# Altium PCB fMAX_MB.PcbDoc (part 10 of 13) (continued)
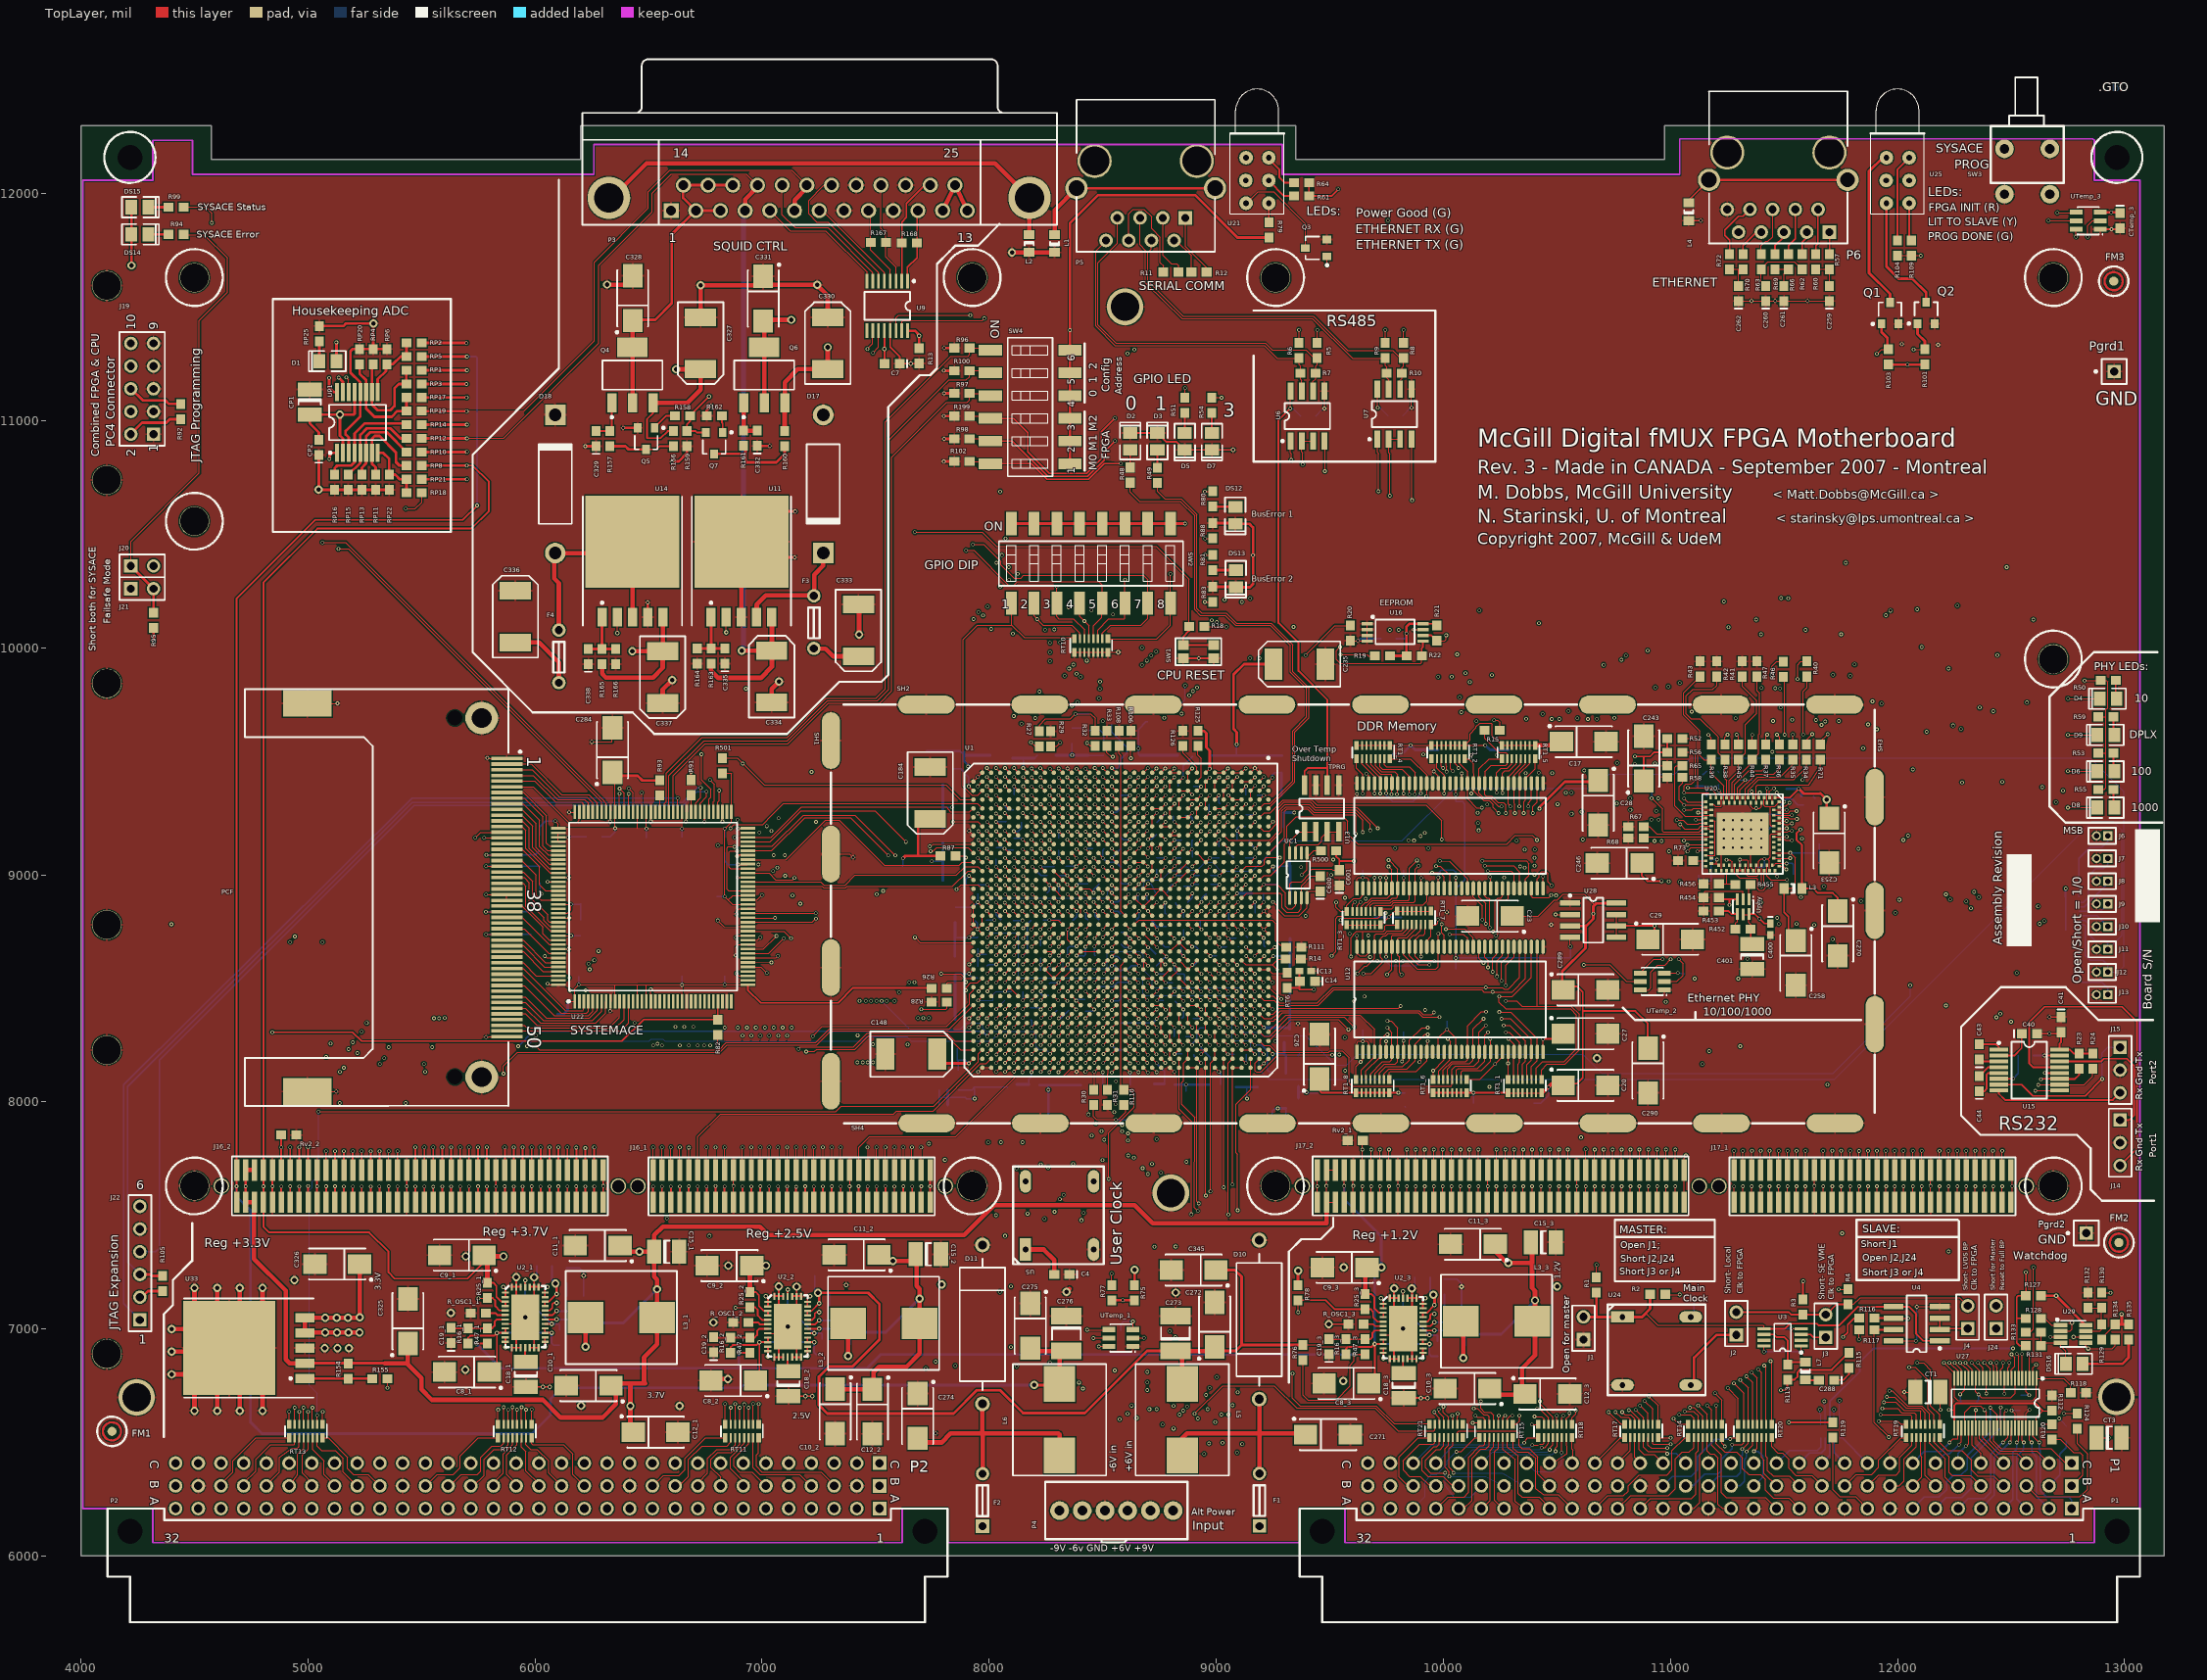
[diagram p0: TopLayer view]
## Nets (pads, with @x,y where several pads share a name; then routed paths per layer and width w, separated by ;. In a path a pad name is that pad's centre, name@x,y a point inside that pad or via, vN(x,y) a via of type N, cw(c..) or ccw(c..) an arc to the next point about the centre after c; other vN are vias at no path point) (continued)
  MidLayer2 w6: J20.2@4320,10360 4373,10307 4373,8716 4782,8307 v1(4843,8307)
  Power3 w6: v1(4843,8307) 4842.52,9921.26 4842.52,9980.32 5009.84,10147.64 6289.37,10147.64 6889.76,10748.03 13021,10748.03 ; v1(12564.85,7249.85) 12909.85,7249.85 12928,7268 12928,8356 13021,8449 13021,11933 12957,11997 SW3.2@12671,11997
SYSACE_TDO_10: R91.2 U22.82 | length 72.9
  TopLayer w5: U22.82@6687.32,9277.32 R91.2@6687.32,9350.21
SYSACE_USB_D0: U1.AK9 U22.66 | length 1292.6
  TopLayer w5: v1(8068,9155) 8087.87,9135.13 U1.AK9@8087.87,9134.65
  TopLayer w6: v1(6889.76,9081.69) 6894.45,9086.38 U22.66@6937.32,9086.38
  MidLayer2 w5: v1(6889.76,9081.69) 6915.35,9107.28 7693.9,9107.28 7727.36,9140.75 7762.8,9140.75 7769.69,9133.86 8047.24,9133.86 8068,9154.61 v1(8068,9155)
SYSACE_USB_D1: U1.AP11 U22.65 | length 1151.9
  TopLayer w5: U22.65@6937.32,9066.69 7105.08,9066.69 7278.54,9240.16 7340.55,9240.16 7537.71,9043 7868.71,9043 7881.62,9055.91 7930.09,9055.91 U1.AP11@7930.39,9055.91
SYSACE_USB_D2: U1.AP10 U22.63 | length 1244.3
  TopLayer w5: v1(6889.76,9104.33) 6889.43,9104 6860,9104 6855.5,9099.5 6855.5,9033.5 6861.68,9027.32 U22.63@6937.32,9027.32 ; v1(7742,9104) 7753,9104 7769,9120 7906,9120 7930.39,9095.61 U1.AP10@7930.39,9095.28
  MidLayer1 w5: v1(6889.76,9104.33) v1(7742,9104)
SYSACE_USB_D3: U1.AH10 U22.62 | length 1320.2
  TopLayer w5: U22.62@6937.32,9007.64 7030.75,9007.64 7060.04,8978.35 7134.84,8978.35 v1(7142.72,8986.22) ; v1(8149,9113) 8166.61,9095.39 U1.AH10@8166.61,9095.28
  MidLayer3 w5: v1(7142.72,8986.22) 7182.24,9025.75 7957.83,9025.75 7986.22,9054.13 8116.14,9054.13 8130.91,9068.9 8130.91,9095.47 8148.43,9113 v1(8149,9113)
SYSACE_USB_D4: U1.AG10 U22.61 | length 1692.1
  TopLayer w5: v1(6891.73,8988.19) U22.61@6937.09,8988.19 ; v1(8187,9114) 8205.72,9095.28 U1.AG10@8205.98,9095.28
  MidLayer3 w5: v1(6891.73,9243.11) 6955.71,9243.11 7026.57,9172.24 7754.3,9172.24 7791.7,9134.84 8163.39,9134.84 8184.23,9114 v1(8187,9114)
  MidLayer5 w5: v1(6891.73,8988.19) 6891.73,9020.67 6911.42,9040.35 6911.42,9223.42 v1(6891.73,9243.11)
SYSACE_USB_D5: U1.AN12 U22.60 | length 1080.6
  TopLayer w5: U22.60@6937.32,8968.27 7258.11,8968.27 7272.64,8953.74 7364.6,8953.74 7408.86,8998 7855,8998 7893,9036 7950,9036 7969.46,9016.54 U1.AN12@7969.76,9016.54
SYSACE_USB_D6: U1.AP12 U22.59 | length 1027
  TopLayer w5: U22.59@6937.32,8948.58 7263.65,8948.58 7270.31,8941.93 7366.93,8941.93 7374,8949 7838.58,8948.58 7906.54,9016.54 U1.AP12@7930.39,9016.54 U1.AP12@7930.39,9016.61
SYSACE_USB_D7: U1.AP9 U22.58 | length 1368.6
  TopLayer w5: v1(6877.95,9123.03) 6850,9123 6845.5,9118.5 6845.5,8936.5 6853.1,8928.9 U22.58@6937.32,8928.9 ; v1@7739.17,9122.05 7754,9135 U1.AP9@7930.39,9134.65
  MidLayer1 w5: v1(6877.95,9123.03) v1@7739.17,9122.05
  other v1: 7739.17,9125
SYSACE_USB_D8: U1.AN9 U22.56 | length 1363.1
  TopLayer w5: U22.56@6937.32,8889.53 6977.53,8889.53 v1(6999,8911) ; v1(7952,9153) 7969.76,9135.24 U1.AN9@7969.76,9134.65
  MidLayer1 w5: v1(6988,9187) 6988,9173 7000,9161 7644,9161 7649,9156 7859.14,9156 7862.14,9153 v1(7952,9153)
  MidLayer5 w5: v1(6988,9187) 6999,9176 v1(6999,8911)
SYSACE_USB_D9: U1.AH12 U22.53 | length 1324
  TopLayer w5: U22.53@6937.32,8830.47 v1(7236.35,8830.47) ; v1(8150,9035) 8166.61,9018.39 U1.AH12@8166.61,9016.54
  MidLayer3 w5: v1(7236.35,8830.47) 7421.63,9015.75 8132.87,9015.75 8150,9032.87 v1(8150,9035)
SYSACE_USB_D10: U1.AG11 U22.52 | length 1537.3
  TopLayer w5: U22.52@6937.32,8810.79 6938.07,8810.04 v1(7057.09,8810.04) ; v1(8190,9075) 8205.98,9059.02 U1.AG11@8205.98,9055.91
  MidLayer1 w5: v1@7067.91,9031.5 7071.85,9027.56 7916.7,9027.56 7928.51,9015.75 8003.94,9015.75 8009.84,9021.65 8009.84,9043.31 8021.65,9055.12 8170.28,9055.12 8190,9074.84 v1(8190,9075)
  MidLayer5 w5: v1(7057.09,8810.04) 7066.93,8819.88 v1(7066.93,9031.5)
SYSACE_USB_D11: U1.AN7 U22.51 | length 1486.7
  TopLayer w5: U22.51@6937.32,8791.1 7174,8791 7221.17,8791 7221.17,8791.17 v1(7237,8807) ; v1(7840,9233) 7950,9233 U1.AN7@7969.61,9213.39 ; U1.AN7@7968.61,9213.39 U1.AN7@7969.76,9213.39
  MidLayer1 w5: v1(7237,9233) v1(7840,9233)
  MidLayer5 w5: v1(7237,8807) 7252,8822 7252,8838 7237,8853 v1(7237,9233)
SYSACE_USB_D12: U1.AM7 U22.50 | length 1770.5
  TopLayer w5: v1(6805,8799) 6833,8771 6892.58,8771.42 U22.50@6937.32,8771.42 ; v1(7991,9232) 8009.13,9213.87 U1.AM7@8009.13,9213.39
  MidLayer1 w5: v1(6805,9130) 6857,9182 6932,9182 6987,9237 7051,9237 7096,9192 7655.43,9192 7660.21,9187.21 7860.21,9187.21 7905,9232 v1(7991,9232)
  MidLayer5 w5: v1(6805,8799) v1(6805,9130)
SYSACE_USB_D13: U1.AN10 U22.49 | length 1495.2
  TopLayer w5: U22.49@6937.32,8751.73 7096.69,8751.73 7126.97,8721.46 v1(7126.97,8720.47) ; v1(7952,9113) U1.AN10@7969.72,9095.28
  MidLayer2 w5: v1(7100.39,9086.61) 7132.87,9054.13 7134.84,9054.13 7713.74,9053.31 7773.43,9113 v1(7952,9113)
  MidLayer5 w5: v1(7100.39,9086.61) 7100.39,9019.68 7117.13,9002.95 7117.13,8730.31 v1(7126.97,8720.47)
SYSACE_USB_D14: U1.AM10 U22.48 | length 1603.7
  TopLayer w5: v1(6884.84,8723.42) 6893.47,8732.05 U22.48@6937.32,8732.05 ; v1(7990,9114) 8008.72,9095.28 U1.AM10@8009.13,9095.28
  MidLayer3 w5: v1(6884.84,8723.42) 6937.99,8776.58 6937.99,9115.16 6984.25,9161.42 7750.98,9161.42 7817.91,9094.49 7970.47,9094.49 v1(7990,9114)
SYSACE_USB_D15: U1.AF10 U22.47 | length 1698.3
  TopLayer w5: U22.47@6937.32,8712.36 6980.08,8712.36 v1(6993.11,8725.39) ; v1(8227,9114) 8245.35,9095.65 U1.AF10@8245.35,9095.28
  MidLayer1 w5: v1@8227,9113.81 v1(8227,9114)
  MidLayer2 w5: v1(6983.27,9045.28) 6992.13,9054.13 6992.13,9058.07 7071.85,9058.07 7086.61,9043.31 7756.89,9043.31 7808.07,9094.49 8207.68,9094.49 v1@8227,9113.81
  MidLayer5 w5: v1(6983.27,9045.28) 6983.27,8735.24 v1(6993.11,8725.39)
SYSCLK_25MHZ_1: R3.2 R454.2 U1.AM17 Uphy.3 | length 7244.4
  TopLayer w8: v1(7990,8840) 8009.13,8820.87 U1.AM17@8009.13,8819.68 ; R454.2@11213.46,8900 11220.98,8892.48 Uphy.3@11294.41,8892.48 ; v1(11260,8868) 11260,8892.48 ; R3.2@11584,7130.46 v1(11584,7210)
  MidLayer2 w8: v1(8437.99,7944.88) 8484.25,7944.88 8551.18,7877.95 8551.18,7734.25 8637.8,7647.64 8637.8,7345.47 8680.12,7303.15 10165.35,7303.15 10226.38,7242.13 11551.87,7242.13 v1(11584,7210)
  MidLayer5 w8: v1@7990,8840.39 8007.87,8858.27 8512.8,8858.27 ; v1(8437.99,7944.88) 8482.28,7989.17 8482.28,8771.65 8520.67,8810.04 8521.65,8810.04 8521.65,8848.43 8512.8,8857.28 ; v1(11260,8868) 11260,7461 11511,7210 v1(11584,7210)
TEMP_HIGH_1: R500.2 U1.AN14 UC1.5 | length 2075.6
  TopLayer w5: v1(7856.3,8937.01) 7875.98,8956.69 7949.8,8956.69 7968.7,8937.8 U1.AN14@7969.76,8937.8 ; v1(9375.98,8999.02) 9400.39,9023.42 UC1.5@9400.39,9084.69 ; UC1.5@9401.62,9084.69 9408.51,9084.69 9429.82,9106 R500.2@9460.54,9106
  MidLayer1 w5: v1(7856.3,8937.01) 8283.46,8937.01 8321.85,8898.62 8386.81,8898.62 8406.5,8918.31 8406.5,8931.1 8413.39,8937.99 8433.07,8937.99 8442.91,8928.15 8442.91,8827.76 8454.72,8815.94 9257.87,8815.94 9375.98,8934.05 v1(9375.98,8999.02)
USERCLK_1: U1.AB16 U1.AB17 U5.3 | length 1328.8
  TopLayer w5: v1(8385,8880) 8385,8876.89 U1.AB16@8402.83,8859.06 U1.AB17@8402.83,8819.68
  Gnd1 w5: v1(8385,8880) 8405,8860 8405,7783 8460,7728 U5.3@8460,7650
VAUXN: C336.2 F4.1 P1.A31 P4.1 RP3.1 | length 10147.3
  TopLayer w12: RP3.1@5500.46,11161 v1(5698,11161) v1@5699,11161
  TopLayer w20: C336.2@5913.06,10022.76 6017.24,10022.76 6105,9935 F4.1@6105,9846 F4.1@6105,9845
  Power1 w12: v1(5698,11161) 5625,11161 5615,11151 5615,10493 6109.13,9998.87 6109.13,9846 F4.1@6109.13,9845
  Power1 w20: 4555.69,7401 6610,7401 7191,6820 7295,6820 7820,6295 8215,6295 P4.1@8310,6200 P4.1@8306,6200 ; 4560,7400 4430,7400 4362.2,7467.8 4362.2,8870.08 5303.15,9811.02 6021.02,9811.02 6060,9850 F4.1@6105,9850
VAUXP: C333.1 F3.1 P1.C31 P4.6 RP14.2 | length 13512
  TopLayer w12: RP14.2@5501.35,10981.88 v1(5699.88,10981.88)
  TopLayer w20: F3.1@7230,9995 7280,9995 7313.17,9961.83 C333.1@7424,9961.83
  Power1 w12: v1(5699.88,10981.88) 5864.12,10981.88 6678,10168 7142,10168 7228,10082 F3.1@7228,9997
  Power1 w20: F3.1@7228,10000 F3.1@7228,9997 7228,9828 7171.65,9771.65 6803.15,9771.65 6492.13,9460.63 5157.48,9460.63 4401.57,8704.72 4401.57,7563.43 4441.38,7523.62 7279.53,7523.62 7437.01,7366.14 7437.01,7196.85 ; 7436,7200 7436,6784 7500,6720 7750,6720 8010,6460 8698,6460 8810,6348 P4.6@8810,6200 9260,6200 9549,6489 9687,6489 P1.C31@9767,6409
VCC3V3: C1.1 C2.2 C3.2 C4.2 C5.1 C6.1 C7.2 C40.2 C41.2 C112.1 C113.1 C114.1 C115.1 C116.1 C117.1 C118.1 C119.1 C120.1 C121.2 C122.2 C123.2 C124.2 C125.2 C126.2 C127.2 C128.2 C129.2 C149.2 C150.2 C151.2 C152.2 C153.2 C154.2 C155.2 C156.2 C157.2 C169.2 C170.2 C172.2 C173.2 C174.2 C176.2 C177.2 C184.1 C277.2 C278.2 C279.2 C280.2 C281.2 C282.2 C283.2 C284.1 C285.2 C286.2 C287.2 C326.1 C400.1 C401.1 C601.2 CP1.2 CP2.2 CT1.1 CT2.1 CTemp_1.1 CTemp_2.1 CTemp_3.1 DS14.1 DS15.1 J19.2 J22.6 pad.0@11320,8825 PCF.13 PCF.38 R1.2 R18.2 R23.2 R24.2 R26.2 R27.1 R30.2 R32.1 R79.2 R84.2 R85.2 R86.2 R87.2 R92.2 R93.1 R104.2 R109.2 R110.2 R122.2 R125.1 R130.2 R452.1 R500.1 R501.2 RP1.1 RP2.1 RP17.1 RP21.2 RT9.1 RT9.2 RT9.3 RT9.4 RT9.5 RT9.6 RT9.7 RT9.8 SW2.9 SW2.10 SW2.11 SW2.12 SW2.13 SW2.14 SW2.15 SW2.16 SW4.1 SW4.2 SW4.3 SW4.4 SW4.5 SW4.6 TPRG.6 TPRG.8 U1.AB19 U1.AC16 U1.AE10 U1.AE20 U1.AG14 U1.AH11 U1.AH21 U1.AJ8 U1.AK5 U1.AK15 U1.AL12 U1.AM9 U1.AM19 U1.AN6 U1.AN16 U1.AP3 U1.AP13 U1.D3 U1.D33 U1.G4 U1.G34 U1.H1 U1.H31 U1.J28 U1.K5 U1.L2 U1.L32 U1.M9 U1.M29 U1.N6 U1.N26 U1.P13 U1.P23 U1.R10 U1.R20 U1.T17 U1.U14 U1.V21 U1.W18 U3.1 U3.8 U4.8 U5.1 U5.4 U6.8 U7.8 U9.12 U15.16 U22.1 U22.10 U22.15 U22.17 U22.25 U22.37 U22.55 U22.57 U22.73 U22.84 U22.92 U22.94 U22.99 U22.109 U22.126 U22.128 U24.4 U25.A2 U27.31 U27.42 U33.4 U33.5 UC1.1 UP1.2 UP1.13 Uphy.5 UTemp_1.3 UTemp_2.3 UTemp_3.3 | length 20161.2
  TopLayer w5: v1(5784.5,8912.5) PCF.13@5875.43,8912.5 PCF.38@5875.43,8887.5 ; v1(6089,9236) 6102.68,9222.32 U22.109@6102.68,9204.49 6836.49,9204.49 6864.49,9232.49 6864.49,9445.51 6863.46,9446.54 R501.2@6826,9446.54 ; U22.128@6102.68,8830.47 6143.47,8830.47 6157.84,8844.84 v1(6157.84,8869.84) U22.126@6102.68,8869.84 ; v1@6144.45,8442.68 U22.1@6175.51,8442.68 6175.51,8499.51 6191.51,8515.51 6192,8515.51 6452,8515.51 ; C284.1@6336.77,9440 6340.54,9436.23 6352.68,9424.09 U22.99@6352.68,9277.32 v1@6352.68,9205.17 ; U22.10@6352.68,8442.68 6352.68,8514.83 ; U22.15@6451.1,8442.68 6451.1,8514.61 6452,8515.51 ; 6451.1,9204.59 U22.94@6451.1,9277.32 ; U22.17@6490.47,8442.68 6490.47,8514.98 ; v1@6490.47,9204.96 U22.92@6490.47,9277.32 ; U22.25@6647.95,8442.68 v1(6648,8515) v1@6647.95,8515.46 ; v1@6647.95,9204.54 U22.84@6647.95,9277.32 ; v1@6835,9204.49 v1(6835,8904) 6869.16,8869.84 U22.55@6937.32,8869.84 ; 6851.11,8887.89 6872.42,8909.21 U22.57@6937.32,8909.21 ; U22.37@6937.32,8515.51 6835,8515.51 6648,8515.51 6452,8515.51 ; v1(7910,9390) 7929.13,9370.87 U1.AP3@7930.39,9370.87 ; v1(7911,8996) 7929.83,8977.17 U1.AP13@7930.39,8977.17 ; v1(7950,8879) 7969.76,8859.24 U1.AN16@7969.76,8859.06 ; v1(7950,9270) 7967.24,9252.76 U1.AN6@7969.76,9252.76 ; v1(7991,8723) 8008.94,8740.94 U1.AM19@8009.13,8740.94 ; v1(7991,9153) 8009.13,9134.87 U1.AM9@8009.13,9134.65 ; v1(8030,9035) U1.AL12@8048.5,9016.54 ; v1(8070,9310) U1.AK5@8087.87,9292.13 ; v1(8071,8915) 8087.57,8898.43 U1.AK15@8087.87,8898.43 ; v1(8109,9192) 8126.98,9174.02 U1.AJ8@8127.24,9174.02 ; v1(8147,8643) 8166.2,8662.2 U1.AH21@8166.61,8662.2 ; v1(8150,9075) 8166.61,9058.39 U1.AH11@8166.61,9055.91 ; v1(8190,8955) 8205.98,8939.02 U1.AG14@8205.98,8937.8 ; R27.1@8221,9632.46 8221,9659.98 8248.03,9687.01 8357.01,9687.01 v1(8379,9709) 8447,9709 8467,9689 R32.1@8467,9634.46 ; v1(8266,9114) U1.AE10@8284.72,9095.28 ; v1(8267,8684) 8284.57,8701.57 U1.AE20@8284.72,8701.57 ; U1.AC16@8363.46,8859.06 8365.94,8859.06 v1(8385,8840) ; v1(8385,8720) 8402.83,8737.83 U1.AB19@8402.83,8740.94 U1.AB19@8400.94,8740.94 ; R30.2@8460,7986.54 8460,7935 8473,7922 8558,7922 8569,7922 8601,7955 R110.2@8601,7986 ; v1(8500,8760) 8520.31,8780.31 U1.W18@8520.94,8780.31 ; v1(8540,8640) 8560.32,8660.32 U1.V21@8560.32,8662.2 ; U1.U14@8599.69,8937.8 8599.69,8939.69 v1(8620,8960) ; UTemp_1.3@8633,6997.55 v1(8633,7033) ; U1.T17@8639.06,8819.68 8639.68,8819.68 v1(8660,8840) ; U1.R20@8678.43,8701.57 v1(8700,8680) ; U1.R10@8678.43,9095.28 8678.72,9095.28 v1(8698,9076) ; U1.P23@8717.8,8583.46 8717.8,8583.2 v1(8737,8564) ; U1.P13@8717.8,8977.17 8718.17,8977.17 v1(8737,8996) ; v1(8739,8447) 8757.17,8465.17 U1.N26@8757.17,8465.35 ; U1.N6@8757.17,9252.76 8757.17,9253.17 v1(8775,9271) ; U1.M29@8796.54,8347.24 8796.54,8346.46 v1(8815,8328) ; U1.M9@8796.54,9134.65 8796.65,9134.65 v1(8815,9153) ; v1(8816,8211) U1.L32@8835.91,8229.13 ; U1.L2@8835.91,9410.24 8836.24,9410.24 v1(8854,9428) ; U1.K5@8875.28,9292.13 8875.28,9292.28 v1(8894,9311) ; U1.J28@8915.39,8386.61 U1.J28@8914.65,8386.61 8914.65,8386.35 v1(8935,8366) ; R18.2@8947.46,10093 v1(9044,10093) ; U1.H31@8954.02,8268.5 8954.5,8268.5 v1(8972,8251) ; U1.H1@8954.02,9449.61 8954.02,9450.02 v1(8971,9467) ; U1.G34@8993.39,8150.39 8993.61,8150.39 v1(9012,8132) ; U1.G4@8993.39,9331.5 8993.5,9331.5 v1(9011.59,9349.59) v1@9012,9350 ; U1.D33@9111.5,8189.76 9111.5,8189.5 v1(9130,8171) ; U1.D3@9111.5,9370.87 9111.87,9370.87 v1(9131,9390) ; UC1.1@9323,8899 9323.61,8899.61 9323.61,8960.42 9331.69,8968.5 9375,8968.5 9411.42,9004.92 9411.42,9015.75 9421.26,9025.59 9507.87,9025.59 9513,9020.46 C601.2@9542,9020.46 ; v1@9326,11053 v1(9326.47,11053.47) U6.8@9326.47,11130.08 ; U7.8@9709.38,11138.39 9709.38,11057.62 9710.5,11056.5 v1@9711,11056 ; R1.2@10673.94,7226.35 v1(10673.94,7282.2) ; UTemp_2.3@10973.15,8567.4 v1(11032,8567.4) v1@11032.4,8567.4 ; pad.0@11320,8825 11343.07,8825 Uphy.5@11345.59,8827.52 11345.59,8789.41 11353.46,8781.54 R452.1@11353.46,8760 ; v1(11412.24,6900.24) U3.8@11412.24,6924.5 ; v1(11575.63,6900.63) U3.1@11575.63,6924.5 ; U4.8@11981.58,6947.88 v1(12081,6948) ; R104.2@12000,11726.53 R109.2@12061,11726.53 v1(12102.47,11726.53) ; v1(12189.12,6644.12) CT1.1@12189.12,6722.27 ; U27.31@12344.39,6563.02 U27.31@12344.39,6563.75 v1(12344.39,6642.39) ; v1(12502,6641) 12517.61,6625.39 U27.42@12517.61,6563.75 U27.42@12517.61,6563.02 ; R130.2@12898.32,7159.53 v1(12937.53,7159.53)
  TopLayer w8: U22.37@6937.32,8515.51 6937.32,8492.8 6994.09,8436.02 7334.65,8436.02 7400.59,8501.97 R26.2@7745.08,8501.97 ; C7.2@7538.67,11251.14 v3(7538.67,11315) U9.12@7538.67,11395.59 ; v1@9324.8,11052.17 9323.82,11052.17 9273.62,11001.97 9273.62,10109.25 9362.2,10020.67 9362.2,9897.64 9489,9770.84 9489,9469.49 ; TPRG.8@9389,9394.36 9389,9455.93 9402.56,9469.49 9489,9469.49 ; TPRG.6@9489,9394.36 9489,9469.49 ; R500.1@9527.46,9106 9527.46,9081.79 9542,9067.25 C601.2@9542,9020.46 ; 9542.98,9060.04 v1(9605.32,9060.04) ; Uphy.5@11345.59,8827.52 11371.48,8827.52 11392.5,8806.5 11413.41,8785.59 C400.1@11440,8785.59 ; R452.1@11353.46,8762 R452.1@11353.46,8760 11353.46,8701.65 C401.1@11360,8695.12 ; C40.2@12613.46,8300 v1(12669,8300) 12713.46,8300 C41.2@12720,8306.54 12720,8263 12713.86,8256.86 U15.16@12713.86,8229.57 12759.43,8229.57 12775.54,8213.46 R23.2@12800,8213.46 R24.2@12860,8213.46
  TopLayer w12: J19.2@4220,10940 4220,10942 4269,10991 4376,10991 4391.54,11006.54 R92.2@4440,11006.54 ; DS15.1@4222.6,11940 DS14.1@4222.6,11820 4223,11819.6 v2(4223,11683) v2@4223,11682 ; CP2.2@5047.88,10915.35 5047.88,10948.12 5007.88,10988.12 CP1.2@5007.88,11026.76 v2(5141,11026.76) ; UP1.2@5153.91,10858.02 5153.91,10921.09 5141,10934 v2(5141,11026.76) ; UP1.13@5205.09,11125.74 5205.09,11031.09 5200.76,11026.76 v2(5141,11026.76) ; RP21.2@5501.35,10741.88 v1(5699.88,10741.88) ; RP17.1@5501.35,11101.88 v1(5699,11101.88) v1@5699.88,11101.88 ; RP1.1@5501.35,11221.88 v1(5699.88,11221.88) ; RP2.1@5501.35,11341.88 v1(5698.88,11341.88) ; C284.1@6339,9436.23 6340.54,9436.23 6341,9436.23 6451.77,9436.23 6472.54,9415.46 R93.1@6550,9415.46 ; v1(7620,9072) 7631,9083 7687,9083 ; C184.1@7740,9245.83 7707.83,9245.83 7687,9225 7687,9083 ; R87.2@7775,9083 7687,9083 ; SW2.16@8098,10546.2 SW2.15@8198,10546.2 SW2.14@8298,10546.2 SW2.13@8398,10546.2 SW2.12@8498,10546.2 SW2.11@8598,10546.2 SW2.10@8698,10546.2 SW2.9@8798,10546.2 v1(8862,10546.2) v1@8863.2,10546.2 ; SW4.1@8355.2,10810 SW4.2@8355.2,10910 SW4.3@8355.2,11010 SW4.4@8355.2,11110 SW4.5@8355.2,11210 SW4.6@8355.2,11310 v1(8355.2,11398.8) 8355.2,11868.2 8480,11993 8907,11993 9093.46,11806.54 R79.2@9233,11806.54 ; R125.1@8919,9633.46 8945.54,9633.46 8956,9623 8956,9561 8971,9546 v1(8971,9467) ; UTemp_3.3@12893.15,11917.4 v1(12941,11917.4) CTemp_3.1@12976.06,11917.4
  TopLayer w20: U33.4@4986.41,6983 U33.4@4986.34,6982.93 U33.4@4986.34,6985 ; v2(5227,6985) v2(5179,6985) v2(5128,6985) v2(5076,6985) U33.4@4986.34,6985 ; C326.1@5227.77,7286 v2(5227.77,7050.63) 5227,7049.86 v2(5177,7049.86) v2(5127,7049.86) v2(5076,7049.86) U33.5@4986.34,7049.86 U33.4@4986.34,6985 ; U5.1@8160,7350 8240,7350 8286.54,7303.46 C4.2@8286.54,7240
  BottomLayer w5: v1@9326,11053 9326.47,11053 9338.54,11053 C5.1@9370.54,11021 ; v1@9711,11056 9721.54,11056 C6.1@9754.54,11023
  BottomLayer w6: R86.2@6020,9173.47 6020,9211 6045,9236 v1(6089,9236) ; R85.2@6022,8963.53 6022,8922 v1(6028,8916) ; v1(6157.84,8869.84) 6198.38,8869.84 C285.2@6201,8872.46 ; v1(6192,8516) C283.2@6192,8551.54 ; R84.2@6201,8800.46 C285.2@6201,8872.46 ; C285.2@6201.54,8873 C285.2@6201,8872.46 ; C277.2@6293.46,9168 6331,9168 6352.68,9189.68 v1@6352.68,9205.17 ; C282.2@6491,9163.46 v1(6491,9204) ; v1@6647.95,8515.46 C286.2@6648,8555.54 ; C287.2@6648,9164.46 v1(6648,9204) ; C281.2@6801.54,8904 v1(6835,8904) ; C278.2@6834,9165.46 6835,9166.46 v1(6835,9204) ; v1(6835,8516) C280.2@6835,8554.54 ; C150.2@7617,9036.46 7620,9039.46 v1(7620,9072) ; C173.2@7841.12,9466 7875,9466 7910,9431 v1(7910,9390) ; C177.2@7850.12,8856 7927,8856 v1(7950,8879) 7950,8916.59 C113.1@7949.59,8917 ; C115.1@7899.41,8957 7899.41,8981.41 7911,8993 v1(7911,8996) ; C116.1@8029,9069.41 8030,9068.41 v1(8030,9035) ; v1(8070,9310) 8070,9298 8082.46,9285.54 C156.2@8108,9285.54 ; v1(8109,9192) 8128,9192 8141.46,9205.46 C155.2@8141.46,9232 ; v1(8147,8643) 8147.92,8643 8168.31,8663.39 8168.31,8782.9 C114.1@8185.41,8800 ; C112.1@8365.59,8800 8370,8800 8385,8815 v1(8385,8840) ; v1(8379,9709) 8436.12,9709 C169.2@8437,9709.88 ; C170.2@8500,8075.12 v1(8500,8131) ; v1(8540,8640) 8565.59,8640 8577.5,8628.09 C117.1@8580,8625.59 ; v1(8558,7921) 8726.87,7921.26 C176.2@8729.33,7921.26 ; CTemp_1.1@8580,6993.46 8580,7020 8593,7033 v1(8633,7033) ; C151.2@8580,8966.54 8586.54,8960 v1(8620,8960) ; C149.2@8646.54,8800 8660,8813.46 v1(8660,8840) ; v1(8700,8680) 8704.59,8680 C121.2@8736,8648.59 ; v1(8737,8564) C124.2@8779.41,8564 ; v1(8737,8996) C123.2@8737,9024.41 ; C120.1@8738,9229.59 8775,9266.59 v1(8775,9271) ; v1(8739,8447) 8766.41,8447 C125.2@8768.41,8445 ; C128.2@8813.41,8288 8815,8289.59 v1(8815,8328) ; v1(8815,9153) 8845.41,9153 C119.1@8846.41,9154 ; v1(8816,8211) 8848.69,8211 C129.2@8849.69,8210 ; C157.2@8832.54,9390 8832.54,9409.54 8851,9428 v1@8853,9428 ; v1(8854,9428) v1@8853,9428 ; C174.2@8897,9522.88 8853,9478.88 v1@8853,9428 ; C126.2@8897.59,8367 8898.59,8366 v1(8935,8366) ; v1(9011.59,9349.59) 9011.59,9318 C118.1@9018.59,9311 ; v1(9012,8132) 9020,8124 C152.2@9020,8075.46 ; C122.2@9129.41,9351 9131,9352.59 v1(9131,9390) ; v1(9130,8171) 9131.59,8172.59 C127.2@9131.59,8210 ; 9361.46,8043 9396,8043 v1(9396.98,8042.02) 9400.12,8038.88 C172.2@9447,8038.88 ; v1@11032.4,8567.4 CTemp_2.1@11063,8562.46 ; U24.4@11104.54,7053.48 C1.1@11104.54,7150 ; v1(11412.24,6900.24) v1@11575.24,6900.24 ; 11493.94,6900.31 C2.2@11493.94,6929.42 ; v1(12081,6948) 12083.94,6950.94 C3.2@12083.94,6989.42 ; v1(12502,6641) CT2.1@12540.71,6641 ; RT9.1@12740,8755.08 RT9.2@12740,8779.68 RT9.3@12740,8799.37 RT9.4@12740,8819.06 RT9.5@12740,8838.74 RT9.6@12740,8858.43 RT9.7@12740,8878.11 RT9.8@12740,8902.72
  BottomLayer w8: RT9.8@12740,8902.72 v1(12740,8940)
  BottomLayer w12: C279.2@6100,8386.54 6125.71,8386.54 6143.7,8404.53 v1(6143.7,8441.93) ; C154.2@9361.46,8017 9361.46,8043 C153.2@9361.46,8068
  other v1: 11393,8807 6353,9205 9711,11057
VME_A1: RT15.8 U1.J29 U1.J30 | length 2328.4
  TopLayer w5: U1.J29@8914.65,8347.24 8914.65,8307.35 v1(8934,8288) ; v1(10129.92,6586.61) 10151.94,6586.61 RT15.8@10158.28,6580.27
  MidLayer6 w5: v1(8934,8288) 8934,8287.46 8954.72,8266.73 8954.72,7803.15 9857.28,6900.59 9914.37,6900.59 10105.32,6709.65 10105.32,6611.22 v1(10129.92,6586.61)
VME_A2: RT15.7 U1.E32 U1.E33 | length 2828.5
  TopLayer w5: v1(9053,7504.09) 9053,8171 9071.76,8189.76 U1.E33@9072.24,8189.76 ; U1.E33@9072.13,8189.76 U1.E32@9072.13,8229.13 ; v1(10141.73,6618.11) 10149.61,6610.24 10173.23,6610.24 10182.89,6600.57 RT15.7@10182.89,6580.27
  MidLayer2 w5: v1(9053,6623.03) 9063.25,6623.03 9134.12,6552.17 10035.43,6552.17 10101.38,6618.11 v1(10141.73,6618.11)
  MidLayer5 w5: v1(9053,6623.03) v1(9053,7504.09)
VME_A3: RT15.6 U1.N25 U1.P26 | length 2660.9
  TopLayer w5: U1.P26@8717.8,8465.35 U1.N25@8757.17,8504.72 U1.N25@8757.17,8503.83 ; v1(10133.86,6649.61) 10149.61,6649.61 10177.17,6622.05 10192.91,6622.05 10202.57,6612.39 RT15.6@10202.57,6580.27
  MidLayer6 w5: v1(8737.69,8485.25) 8740.14,8485.25 8875.98,8349.41 8940.94,8349.41 8992.13,8298.23 8992.13,7782.48 9864.02,6910.59 9923.07,6910.59 10133.86,6699.8 v1(10133.86,6649.61)
VME_A4: RT15.5 U1.P22 U1.R21 | length 3578.6
  TopLayer w5: U1.R21@8678.43,8662.2 8678.43,8661.57 8679.06,8661.57 U1.P22@8717.8,8622.83 U1.P22@8717.8,8622.2 ; v1(10165.35,6681.1) 10165.35,6649.61 10181.1,6633.86 10208.66,6633.86 10222.26,6620.26 RT15.5@10222.26,6580.27
  MidLayer1 w5: v1@8698.18,8642.37 v1(8698.18,8642.45) 8724.67,8642.45 8744.09,8623.03 8827.76,8623.03 8837.6,8613.19 8837.6,8207.68 8973.43,8071.85 10154.53,8071.85 10160.43,8065.94 v1(10202.76,8065.94)
  MidLayer5 w5: v1(10165.35,6681.1) 10177.17,6692.91 10177.17,7652.56 10202.76,7678.15 v1(10202.76,8065.94)
VME_A5: RT15.4 U1.F33 U1.F34 | length 2897.3
  TopLayer w5: v1(9032.76,7624.29) U1.F34@9032.76,8150.39 U1.F33@9032.76,8189.76 ; RT15.4@10241.94,6580.27 10241.94,6608.09 10244.09,6610.24 v1(10244.09,6618.11)
  MidLayer2 w5: v1(9022.7,6623.1) 9022.7,6621.98 9070.87,6573.82 9103.35,6541.34 10167.32,6541.34 v1(10244.09,6618.11)
  MidLayer5 w5: v1(9022.7,6623.1) 9032.76,6633.15 v1(9032.76,7624.29)
VME_A6: RT15.3 U1.K28 U1.K29 | length 3105.4
  TopLayer w5: U1.K28@8875.28,8386.61 U1.K29@8875.28,8347.24 v1(8895,8327.52) ; RT15.3@10261.63,6580.27 10261.63,6608.09 v1(10271.65,6618.11)
  MidLayer1 w5: v1(8895,8327.52) 8895,8327.44 8912.4,8310.04 8912.4,8200.79 8924.21,8188.98 8996.06,8188.98 9102.36,8082.68 10220.47,8082.68 v1(10236.22,8066.93)
  MidLayer5 w5: v1(10236.22,8066.93) 10236.22,8054.13 10212.76,8030.67 10212.76,6717.36 10271.65,6658.46 v1(10271.65,6618.11)
VME_A7: RT15.2 U1.G32 U1.G33 | length 3102.6
  TopLayer w5: v1@8974,7603.92 8974,8170 U1.G33@8993.39,8189.39 ; U1.G33@8993.39,8188.61 U1.G33@8993.39,8189.76 U1.G32@8993.39,8229.13 ; RT15.2@10281.31,6580.27 10281.31,6604.15 10295.28,6618.11 v1(10303.15,6618.11)
  MidLayer1 w5: v1(8995.08,6589.57) 9125.98,6589.57 9166.34,6549.21 9205.71,6549.21 9275.43,6618.94 9924.63,6618.94 9973.68,6569.88 10254.92,6569.88 v1(10303.15,6618.11)
  MidLayer5 w5: v1@8974,7603.92 8974,6769.11 8995.08,6748.03 v1(8995.08,6589.57)
  other v1: 8974,7605.31
VME_A8: RT18.8 U1.K6 U1.L6 | length 3523.4
  TopLayer w5: U1.L6@8835.91,9252.76 U1.K6@8875.28,9252.76 v1(8895,9272.48) ; v1(10389.76,6578.74) RT18.8@10416.76,6578.74
  MidLayer6 w5: v1(8895,9272.48) 8895,9272.32 8914.37,9252.95 8914.37,8519.69 8930.12,8503.94 8944.88,8503.94 8955.71,8493.11 8955.71,8435.04 9005.91,8384.84 9021.65,8384.84 9033.46,8373.03 9033.46,8360.24 9046.26,8347.44 9214.2,8347.44 9661.42,7900.23 9661.42,7617.13 10062.01,7216.54 10062.01,7178.15 10375.83,6864.33 10375.83,6592.68 v1(10389.76,6578.74)
VME_A9: RT18.7 U1.L8 U1.M8 | length 3674.8
  TopLayer w5: U1.M8@8796.54,9174.02 U1.L8@8835.91,9174.02 ; U1.M8@8797.02,9174.02 v1(8816,9193) ; v1(10401.58,6614.17) 10433.07,6614.17 10442.89,6604.35 RT18.7@10442.89,6580.27
  MidLayer6 w5: v1(8816,9193) 8816,9191.87 8875,9132.87 8875,8517.72 8889.76,8502.95 8903.54,8502.95 8915.35,8491.14 8915.35,8436.02 8928.15,8423.23 8944.88,8423.23 8997.05,8371.06 8997.05,8360.24 9012.8,8344.49 9023.62,8344.49 9036.42,8331.69 9036.42,8314.96 9044.29,8307.09 9196.85,8307.09 9252.95,8250.98 9296.52,8250.98 9651.42,7896.09 9651.42,7822.68 9622.05,7793.31 9622.05,7621.06 9655.51,7587.6 9676.8,7587.6 10052.01,7212.39 10052.01,7173.39 10365.83,6859.57 10365.83,6578.07 10380.91,6562.99 10397.64,6562.99 10420.28,6585.63 10420.28,6595.47 v1(10401.58,6614.17)
VME_A10: RT18.6 U1.G2 U1.G3 | length 3661.9
  TopLayer w5: U1.G3@8993.39,9370.87 U1.G2@8993.39,9410.24 v1(9012.15,9429) ; v1(10413.39,6649.61) 10421.26,6649.61 10462.57,6608.29 RT18.6@10462.57,6580.27
  MidLayer6 w5: v1(9012.15,9429) 9012.15,9393.06 8990.16,9371.06 8990.16,9125.98 8955.71,9091.54 8955.71,8517.72 8969.49,8503.94 8986.22,8503.94 8995.08,8495.08 8995.08,8435.04 9004.92,8425.2 9020.67,8425.2 9061.02,8384.84 9190.94,8384.84 9700.79,7875 9700.79,7592.52 10385.83,6907.48 10385.83,6677.17 v1(10413.39,6649.61)
VME_A11: RT18.5 U1.P11 U1.P12 | length 3633.3
  TopLayer w5: v1(8699,8998) 8717.54,9016.54 U1.P12@8717.8,9016.54 8717.91,9055.91 U1.P11@8717.8,9055.91 ; v1(10425.2,6681.1) 10425.2,6669.29 10482.26,6612.23 RT18.5@10482.26,6580.27
  MidLayer6 w5: v1(8699,8998) 8699.83,8998 8836.61,8861.22 8836.61,8532.48 8875,8494.09 8875,8430.12 8919.29,8385.83 8948.82,8385.83 8956.69,8377.95 8956.69,8352.36 9041.34,8267.72 9222.08,8267.72 9583.66,7906.13 9583.66,7620.08 10355.83,6847.91 10355.83,6572.32 10375.98,6552.17 10400.59,6552.17 10401.42,6552.99 10403.39,6552.99 10441.93,6591.54 10441.93,6664.37 v1(10425.2,6681.1)
VME_A12: RT18.4 U1.N9 U1.N10 | length 4504.6
  TopLayer w5: v1(8739,9117) 8756.65,9134.65 U1.N9@8757.17,9134.65 U1.N10@8757.17,9095.28 ; RT18.4@10500,6582.21 v1(10500,6618.11)
  MidLayer2 w5: v1(8737.2,6646.65) 8790.35,6646.65 8906.5,6530.51 10412.4,6530.51 v1@10499.02,6617.13
  MidLayer6 w5: v1(8737.2,6646.65) 8737.2,7217.52 8649.61,7305.12 8649.61,7724.41 8679.13,7753.94 8679.13,9081.69 8692.91,9095.47 8713.58,9095.47 8735.11,9117 v1(8739,9117)
VME_A13: RT18.3 U1.H4 U1.H5 | length 4988.8
  TopLayer w5: U1.H5@8954.02,9292.13 U1.H4@8954.02,9331.5 v1(8973,9350.48) ; RT18.3@10521.63,6580.27 10521.63,6608.24 10527.56,6614.17 v1(10527.56,6618.11)
  MidLayer2 w5: v1(8705.71,6646.65) 8705.71,6644.68 8719.49,6630.91 8791.96,6630.91 8903.18,6519.69 10429.13,6519.69 v1(10527.56,6618.11)
  MidLayer6 w5: 8639.76,9062.99 8637.8,9061.02 8637.8,7824.8 8669.13,7793.46 8669.13,7758.08 8638.78,7727.72 8638.78,7300.2 8727.2,7211.77 8727.2,6668.15 v1(8705.71,6646.65) ; 8640.75,9062.99 8678.15,9100.39 8678.15,9120.08 8689.96,9131.89 8711.61,9131.89 8796.26,9216.54 8796.26,9242.13 8882.87,9328.74 8951.77,9328.74 v1@8973,9349.97
VME_A14: RT18.2 U1.J5 U1.J6 | length 4602.2
  TopLayer w5: U1.J6@8914.65,9252.76 U1.J5@8914.65,9292.13 v1(8933,9311) ; RT18.2@10541.32,6580.27 10541.32,6604.31 10555.12,6618.11 v1(10555.12,6629.92)
  MidLayer2 w5: v1(9027.56,6499.02) 9061.02,6499.02 9071.69,6509.69 10319.06,6509.69 10348.43,6480.31 10359.25,6480.31 10388.62,6509.69 10453.58,6509.69 10555.12,6611.22 v1(10555.12,6629.92)
  MidLayer5 w5: v1(8933,9311) 8933,9258.93 8951.77,9240.16 8951.77,8219.49 8968.5,8202.76 8968.5,7663.75 9013.78,7618.47 9013.78,6810.04 9020.67,6803.15 9020.67,6644.69 9005.08,6629.09 9005.08,6612.05 9027.56,6589.57 v1(9027.56,6499.02)
VME_A15: RT18.1 U1.E2 U1.E3 | length 4726.9
  TopLayer w5: U1.E3@9072.13,9370.87 U1.E2@9072.13,9410.24 v1(9091.89,9430) ; RT18.1@10565.92,6580.27 10565.92,6609.23 10582.68,6625.98 v1(10582.68,6641.73)
  MidLayer2 w5: v1(9114.17,6493.11) 9131.89,6493.11 9138.46,6499.69 10314.91,6499.69 10353.97,6460.63 10390.75,6460.63 10429.8,6499.69 10474.09,6499.69 10582.68,6608.27 v1(10582.68,6641.73)
  Gnd3 w5: v1(9091.89,9430) 9091.89,9429.49 9073.82,9411.42 9073.82,8654.53 9034.45,8615.16 9034.45,7659.45 9015.75,7640.75 9015.75,6831.69 9114.17,6733.27 v1(9114.17,6493.11)